# Altium PCB SPEC-A7.PcbDoc (part 8 of 10)
Units mil, origin at the board's own origin, x right, y up, seen from the top; angles counter-clockwise.
Board outline 6299.21 x 3937.01 mil, 6 copper layers (Top Layer, L2, L3, L4, L5, Bottom Layer), stack 61.319 mil thick; 731 components, 479 nets, 2733 pads, 1703 vias.
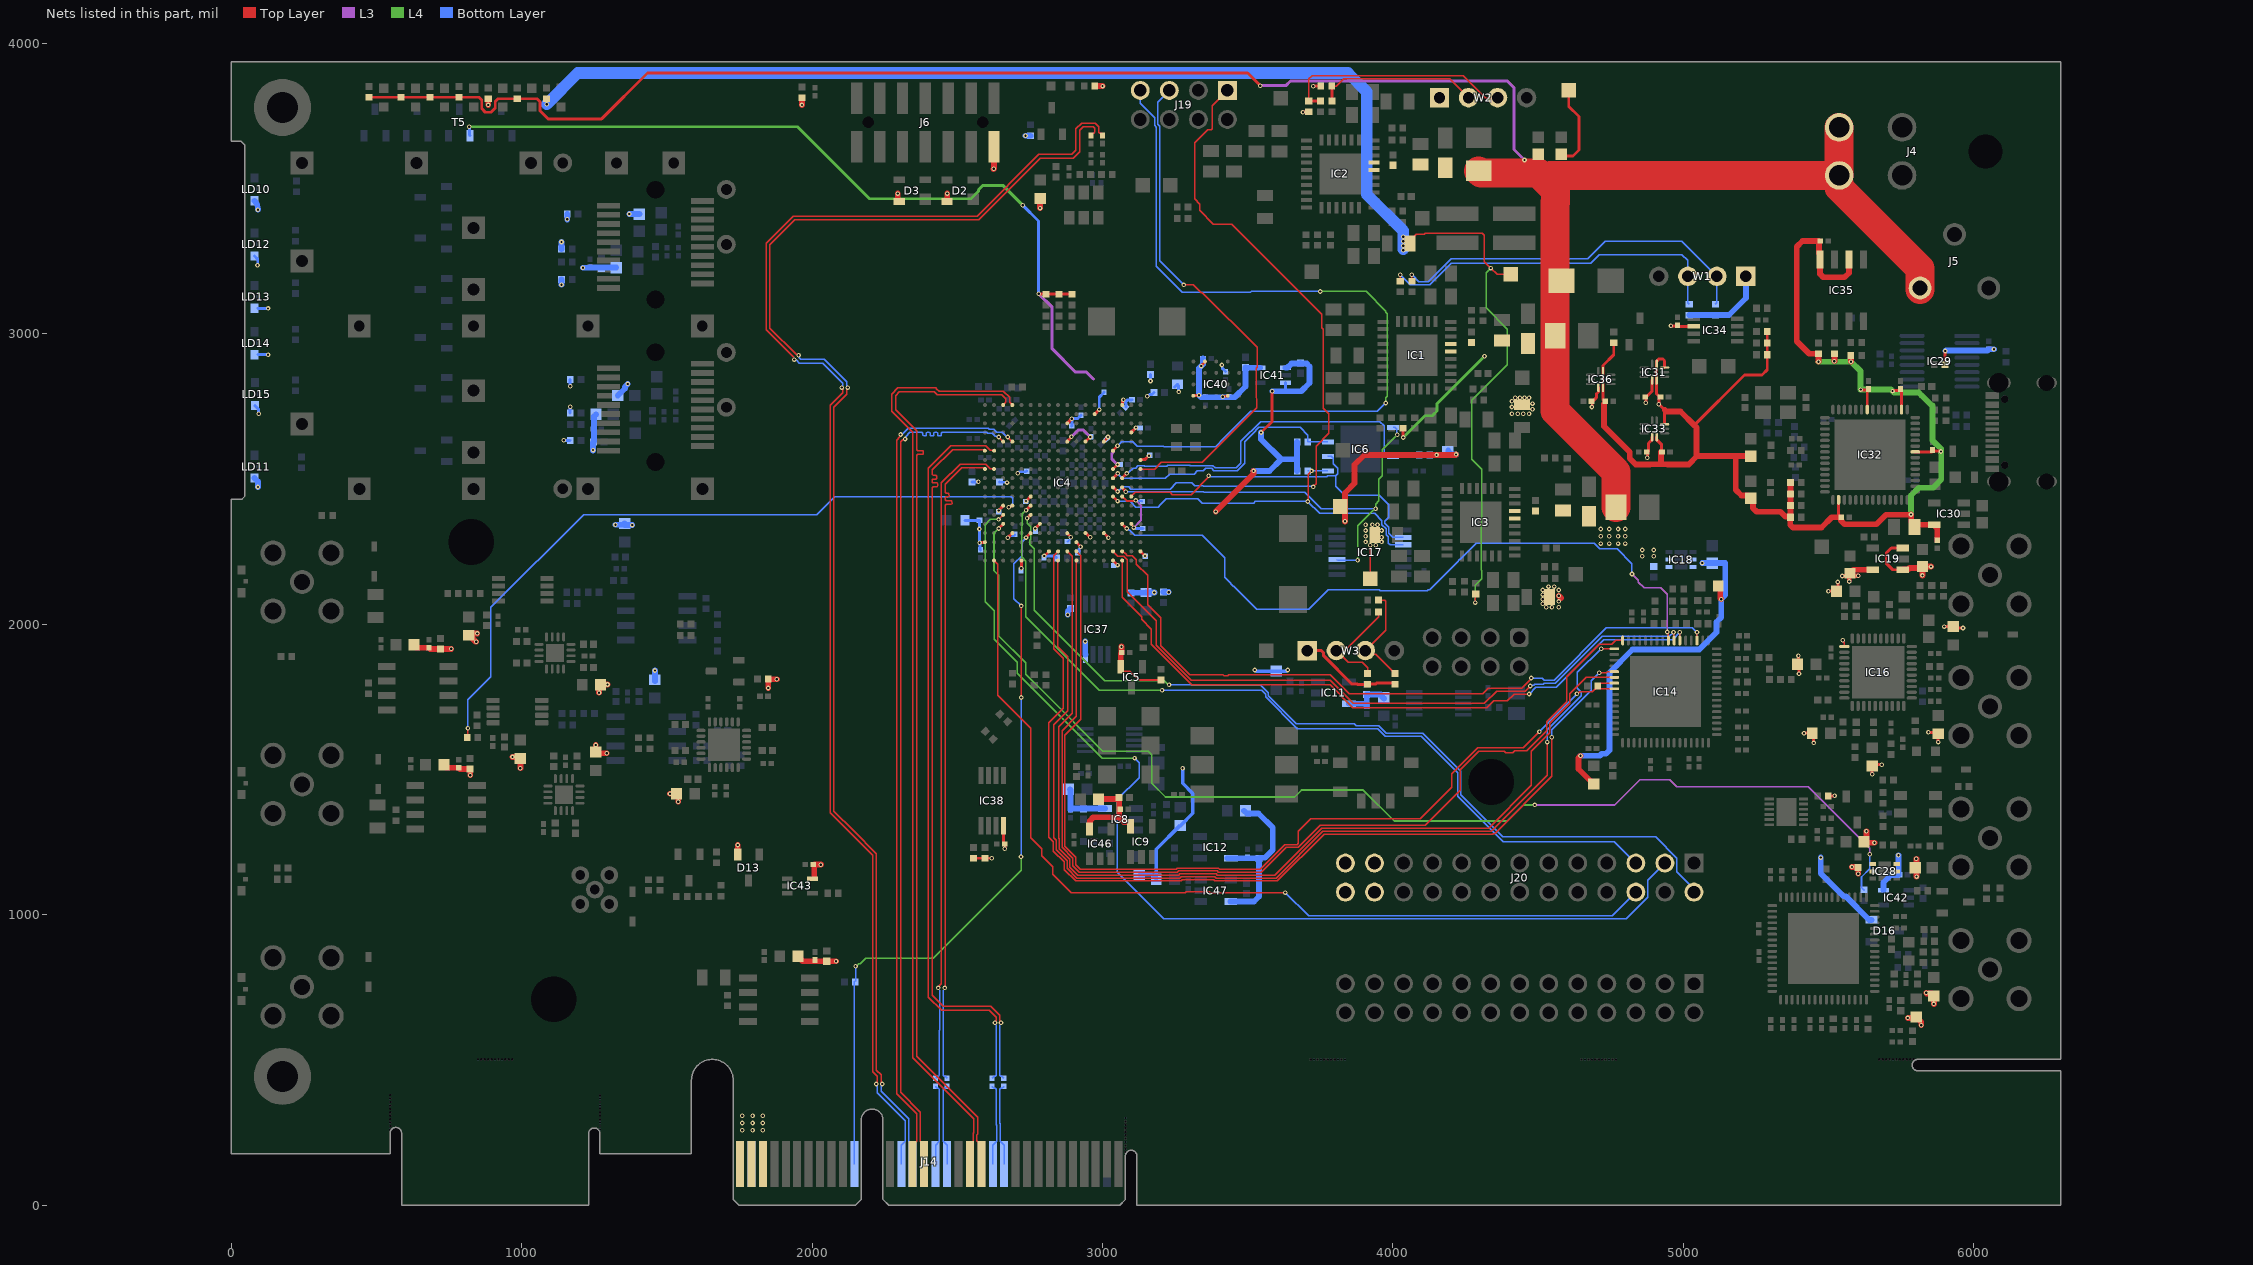
[diagram p12: the nets of this part, all layers, seen from the top]

## Via types
v1: diameter 15.75, hole 7.87, Top Layer to Bottom Layer, tented both sides, 1583 vias
v2: diameter 19.68, hole 7.87, Top Layer to Bottom Layer, tented both sides, 73 vias
v3: diameter 15.75, hole 7.87, Top Layer to Bottom Layer, 47 vias

## Nets (pads, with @x,y where several pads share a name; then routed paths per layer and width w, separated by ;. In a path a pad name is that pad's centre, name@x,y a point inside that pad or via, vN(x,y) a via of type N, cw(c..) or ccw(c..) an arc to the next point about the centre after c; other vN are vias at no path point) (continued)
P2V5: C71.2 C72.2 C73.2 C74.2 C75.2 C76.2 C77.2 C78.2 C79.2 C80.2 C81.2 C82.2 C83.2 IC4.A16 IC4.B13 IC4.C10 IC4.D17 IC4.E14 IC4.G18 IC4.H15 R125.2 R126.2 R127.2 R183.2 T5.1 TP11.1 | length 3567.9
  Top Layer w5: TP11.1@3921.26,2157.48 v1(3921.26,2271.65)
  Top Layer w10: v1(2780,3137.98) 2781.56,3137.98 2783.05,3136.48 R125.2@2805,3136.48 R126.2@2850,3136.48 R127.2@2895,3136.48 ; IC4.C10@2878.5,2691.95 v1(2894.25,2707.7) ; IC4.B13@2972.99,2723.45 v1(2988.74,2739.2) ; IC4.E14@3004.49,2628.96 3004.49,2629.65 3018.86,2644.02 v1(3018.86,2644.71) ; IC4.H15@3035.98,2534.47 v1(3051.73,2550.22) ; IC4.A16@3067.48,2754.95 3068.2,2755.67 3068.2,2767.74 3071.97,2771.5 v1(3071.97,2773.06) ; IC4.D17@3098.98,2660.46 3098.98,2660.86 3114.96,2676.84 v1(3114.96,2677.25) ; IC4.G18@3130.47,2565.97 3131.2,2566.69 3145.3,2566.69 3158.46,2579.85 v1(3160.02,2579.85)
  L3 w10: v1(2780,3137.98) 2826.55,3091.43 2826.55,2948.45 2907.02,2867.98 2945,2867.98 2968.3,2844.68 ; 3037.55,2592.98 3031.66,2587.08 3031.66,2569.14 3043.45,2557.35 3043.45,2556.95 3050.18,2550.22 v1(3051.73,2550.22)
  L4 w10: v1(820,3712.98) 1950,3712.98 2197.87,3465.1 2547.4,3465.1 2572.87,3490.57 2572.87,3495.79 2587.08,3510 2657.98,3510 v1(2725,3442.98)
  Bottom Layer w10: v1(820,3712.98) 821.1,3711.88 821.1,3684 T5.1@822.4,3682.7 ; v1(2725,3442.98) 2780,3387.98 v1(2780,3137.98) ; C78.2@2893.78,2682.98 2894.25,2683.45 v1(2894.25,2707.7) 2895.35,2708.8 2914.57,2708.8 2920.78,2715.01 2921.76,2715.01 2925.62,2718.87 C76.2@2925.62,2719.85 ; v1(2988.74,2739.2) 2988.74,2781.44 3005.51,2798.21 C74.2@3005.51,2799.2 ; v1(3071.97,2773.06) 3071.97,2771.5 3077.37,2766.1 3077.37,2763.28 3080.95,2759.69 3080.95,2748.42 C75.2@3080.26,2747.72 ; 3080.95,2766.86 3083.23,2769.14 3083.23,2770.69 3084.33,2771.79 3100.04,2771.79 C79.2@3101.22,2772.98 ; v1(3154.19,2784.94) 3155.75,2784.94 3161.58,2790.77 3170.08,2790.77 C81.2@3177.28,2797.98 ; v1(3160.02,2579.85) 3160.85,2579.85 C72.2@3162.88,2581.88 ; C82.2@3165.11,2859.75 3165.15,2859.71 v1(3165.19,2837.46) v1(3165.19,2837.46) ; C83.2@3247.88,2816.39 C83.2@3258,2826.5 3262,2822.5 v1(3262,2800) ; v1(3411,2892.78) 3412.1,2891.68 3412.1,2881.66 3423,2870.76 C80.2@3423,2869.78
  other v1: 3940.94,2271.65 3905.51,2283.46 3960.63,2283.46 3960.63,2299.21 3905.51,2303.15 3905.51,2322.83 3960.63,2322.83 3905.51,2342.52 3929.13,2342.52 3946.68,2342.52
P2V7: C326.2 C327.2 C328.2 C330.2 IC40.B4 IC40.D1 IC40.E4 IC41.5 | length 486.6
  Top Layer w6: IC40.E4@3312.89,2786.63 IC40.E4@3313.72,2787.46 ; v1@3331.34,2787.46 v1(3332.17,2788.28) ; v1(3340,2889) v1@3340,2890.74 ; IC40.D1@3352.26,2903 IC40.D1@3352.26,2904.74 ; v1(3413.39,2783.46) v1@3415.14,2785.22 ; IC40.B4@3429.59,2785.22 IC40.B4@3431,2786.63
  Top Layer w10: IC40.E4@3313.72,2787.46 v1@3331.34,2787.46 ; v1@3340,2890.74 IC40.D1@3352.26,2903 ; v1@3415.14,2785.22 IC40.B4@3429.59,2785.22
  Bottom Layer w20: C327.2@3346.22,2915 3346.22,2895.22 v1(3340,2889) 3332.17,2881.17 v1(3332.17,2788.28) 3338.7,2781.76 C326.2@3355,2781.76 3454.99,2781.76 3492.13,2818.9 C330.2@3492.13,2883.86 3492.58,2883.4 3542.59,2883.4 IC41.5@3543.05,2882.94
P3V0_DAC: C157.2 C158.2 FB4.1 IC11.5 | length 170.6
  Bottom Layer w20: IC11.5@3848.43,1726.38 3901.57,1726.38 C158.2@3909.45,1718.5 C157.2@3909.45,1757.87 3957.68,1757.87 3961.4,1754.15 3961.4,1751.84 FB4.1@3969.3,1743.94
P3V0_DAC_DDMTD: C142.2 C143.2 FB3.1 IC8.5 | length 191.4
  Bottom Layer w20: FB3.1@2888.26,1431.4 2889.88,1429.79 C143.2@2889.88,1361.4 2894.69,1366.21 2929.88,1366.21 IC8.5@3008.58,1366.21
P3V0_VCXO: C161.2 C162.2 FB5.1 IC12.5 IC47.5 | length 604.9
  Bottom Layer w20: IC12.5@3429.51,1194.21 3499,1194.21 3538.84,1194.21 C161.2@3539,1194.06 3541.21,1196.26 3559.32,1196.26 3585.87,1222.81 3585.87,1299.96 3537.24,1348.58 3496.93,1348.58 FB5.1@3487.25,1358.27 ; IC47.5@3440.94,1045.28 3521.65,1045.28 3538.84,1062.47 C161.2@3538.84,1194.06
P3V0_VCXO_DDMTD: C146.2 C147.2 FB2.1 IC9.5 IC46.5 | length 343.2
  Top Layer w20: IC46.5@2954.72,1295.28 2956.54,1297.09 2956.54,1323.77 2968.25,1335.49 3057.44,1335.49 ; FB2.1@2981.62,1397.98 3052.28,1397.98 C146.2@3057.28,1402.98 3057.44,1402.82 C147.2@3057.44,1362.98 ; C147.2@3061.22,1362.98 C147.2@3057.44,1362.98 ; IC9.5@3096.46,1305.12 3096.46,1317.91 3094.65,1319.72 3073.2,1319.72 3057.44,1335.49 ; 3057.44,1335.49 C147.2@3057.44,1362.98
P3V3: C33.2 C54.2 C68.2 C69.2 C70.2 C84.2 C85.2 C86.2 C87.2 C88.2 C89.2 C90.2 C91.2 C92.2 C93.2 C94.2 C95.2 C96.2 C97.2 C98.2 C99.2 C100.2 C101.2 C102.2 C132.2 C281.2 C282.2 C289.2 C290.2 C299.2 C308.2 C309.2 C310.2 C319.2 C324.2 C325.2 C329.2 C351.2 C352.2 C353.2 C355.2 C356.2 D2.4 D3.4 D13.2 D16.2 FB1.1 FB6.1 FB18.1 FB19.1 FB20.1 FB21.1 FB22.1 FB23.1 FB24.1 FB27.1 FB30.1 FB31.1 IC4.E10 IC4.E12 IC4.L6 IC4.L16 IC4.M3 IC4.P7 IC4.P17 IC4.R4 IC4.R10 IC4.R12 IC4.R14 IC4.T1 IC4.T11 IC4.U8 IC4.U18 IC4.V5 IC4.V15 IC5.2 IC29.3 IC31.6 IC33.6 IC34.2 IC36.6 IC37.8 IC38.8 IC41.1 IC41.3 IC42.5 IC43.5 J6.2 J20.26 L3.1 L4.1 L5.1 L6.1 LD10.2 LD11.2 LD12.2 LD13.2 LD14.2 LD15.2 R7.2 R8.2 R36.2 R40.2 R41.2 R43.2 R45.1 R46.1 R47.1 R48.2 R49.2 R50.2 R93.2 R94.2 R95.2 R96.2 R100.2 R101.2 R102.2 R124.2 R135.2 R136.2 R145.2 R146.2 R170.2 R172.1 R185.2 TP5.1 W1.1 W2.1 W3.1 | length 6849.4
  Top Layer w5: IC4.P17@3098.98,2345.5 3098.98,2343.5 3107.43,2335.05 v1(3107.43,2333.05)
  Top Layer w6: IC5.2@3062.6,1853.41 3062.6,1847.39 3071.41,1838.58 3094.49,1838.58 3124.8,1808.27 R170.2@3200.79,1808.27
  Top Layer w7: IC4.L16@3067.48,2439.99 3082.87,2424.6 3110.6,2424.6 3112.36,2426.36 v1(3114.72,2426.36)
  Top Layer w10: R40.2@2555,1194.47 R41.2@2595,1194.47 v1(2618.5,1194.47) ; v1(2576.7,2280.7) 2577.78,2281.78 2594.32,2281.78 IC4.T1@2595.04,2282.51 ; v1(2642.28,2391.54) 2642.28,2392.14 2658.03,2407.89 IC4.M3@2658.03,2408.49 ; C33.2@2658.39,1247.39 IC38.8@2658.39,1306.36 ; v1(2663.78,1226.76) C33.2@2663.78,1242.98 ; v1(2673.78,2298.25) IC4.R4@2689.53,2314 ; v1(2720.51,2192.98) 2720.77,2193.23 2720.77,2219.26 IC4.V5@2721.02,2219.51 ; v1(2736.77,2424.24) IC4.L6@2752.52,2439.99 ; v1(2768.27,2329.75) IC4.P7@2784.02,2345.5 ; v1(2799.76,2235.26) IC4.U8@2815.51,2251.01 ; IC4.R10@2878.5,2314 2878.5,2312.98 2890.99,2300.49 v1(2890.99,2299.17) ; IC4.E10@2878.5,2628.96 2878.5,2629.98 2892.94,2644.42 v1(2892.94,2645.45) ; IC4.T11@2910,2282.51 2910,2281.82 2924.37,2267.45 v1(2924.37,2266.76) ; IC4.R12@2941.5,2314 2942.08,2314 2956.66,2299.41 v1(2957.24,2299.41) ; IC4.E12@2941.5,2628.96 2941.63,2628.96 2957.49,2644.82 v1(2957.62,2644.82) ; IC4.R14@3004.49,2314 v1(3020.24,2298.25) ; IC4.V15@3035.98,2219.51 v1(3051.73,2203.76) ; IC4.U18@3130.47,2251.01 v1(3146.22,2235.26) ; v1(3545.7,2660.3) 3582.9,2697.5 3582.9,2800.9 v1(3584,2802) ; v1(3690,3762.98) 3690.75,3763.73 3709.25,3763.73 R136.2@3710,3764.47 ; W3.1@3704.72,1909.45 3753.19,1909.45 3761.26,1901.38 3761.26,1891.45 3858.98,1793.73 3877.93,1793.73 3878.5,1793.15 3911.9,1793.15 R145.2@3912.48,1793.73 3939.69,1793.73 3943.36,1797.4 4003.81,1797.4 R146.2@4007.48,1793.73 ; v1(3725.37,3852.6) 3725.56,3852.79 3751.31,3852.79 R135.2@3751.5,3852.98 ; v1(4685,2747.98) 4686.1,2749.08 4686.1,2766.36 4700,2780.26 4700,2792.98 4707.13,2800.1 IC36.6@4707.13,2815.42 ; v1(4870,2762.98) 4871.1,2764.08 4871.1,2781.36 4892.13,2802.39 IC31.6@4892.13,2840.42 ; v1(4875,2572.98) 4876.1,2574.08 4876.1,2591.36 4880,2595.26 4880,2622.98 4892.13,2635.1 IC33.6@4892.13,2645.42 ; v1(4956.94,3027.5) 4958.04,3026.4 4978.86,3026.4 4980,3025.26 4980.51,3025.77 IC34.2@5035.2,3025.77 ; R172.1@5900.39,2893.7 5900.98,2894.29 5900.98,2940.35 v3(5901.57,2940.94)
  Top Layer w12: R93.2@1848.49,1811.75 R93.2@1848.68,1811.56
  Top Layer w20: FB30.1@629.92,1929.13 629.92,1928.15 638.62,1919.45 678.62,1919.45 678.78,1919.29 C353.2@681.1,1919.29 685.04,1915.35 v1(757.36,1915.35) ; FB31.1@732.28,1515.75 732.28,1514.76 740.98,1506.06 780.98,1506.06 781.14,1505.91 C356.2@783.46,1505.91 787.4,1501.97 C355.2@822.83,1501.97 v1(822.83,1480.32) ; v1(843.57,1939.72) 842.13,1939.72 819.45,1962.4 FB22.1@818.46,1962.4 818.46,1967.28 817.94,1967.8 818.61,1968.46 v1(847.37,1968.46) ; v1(885,3787.98) R36.2@885,3809.47 ; v1(968.5,1543.31) 990.35,1543.31 FB24.1@995.59,1538.07 v1(995.59,1504.57) ; v1(1255.01,1584.43) 1255.01,1555.67 1255.44,1556.1 v1(1293.18,1556.1) ; v1(1266.7,1764.22) 1266.7,1791.38 1266.18,1791.9 1266.84,1792.56 1271.57,1792.56 v1(1295.61,1792.56) ; v1(1510.9,1416.42) FB19.1@1533.17,1416.42 1538.05,1416.42 1538.57,1416.94 1539.23,1416.28 v1(1539.23,1388.92) ; D13.2@1743.74,1207.78 v1(1743.74,1240.1) ; R93.2@1848.15,1812.09 R93.2@1848.49,1811.75 ; R93.2@1848.68,1811.56 R93.2@1849.21,1811.02 ; v1(1849.21,1780.55) R93.2@1849.21,1811.02 ; v1(1878.74,1811.02) R93.2@1849.21,1811.02 ; FB27.1@1946.97,857.58 1949.88,857.58 1967.6,839.87 C325.2@2050.35,839.87 v1(2082.64,839.87) ; v1(1965,3787.98) R49.2@1965,3812.98 ; IC43.5@2007.66,1128.81 C54.2@2007.66,1172.31 ; C54.2@2007.86,1172.51 v1(2030.14,1172.51) ; v1(2294.63,3482.98) 2294.63,3457.39 2296.44,3455.58 D3.4@2299.72,3455.58 ; D2.4@2464.45,3455.1 2465,3455.65 v1(2465,3482.98) ; v1(2625,3567.98) 2626.22,3569.2 J6.2@2626.22,3644.32 ; v1(2785,3432.98) FB6.1@2785,3466.48 FB6.1@2785,3471.36 ; R48.2@2973.5,3852.98 v1(3000,3852.98) ; IC5.2@3062.6,1853.41 3062.6,1899.36 C132.2@3066.22,1902.98 3065,1904.2 v1(3065,1922.98) ; v1(3390,2387.98) 3520,2517.98 v1(3520,2527.98) ; v1(3834.65,2354.33) 3834.65,2452.37 3867.87,2485.6 3867.87,2548.98 3901.88,2582.98 v1(4150,2582.98) 4215.38,2582.98 v1(4217.15,2584.75) ; v1(4570.87,2098.43) 4578.85,2090.44
  L3 w7: v1(3107.43,2333.05) 3131.63,2357.25 3131.63,2409.45 v1(3114.72,2426.36)
  L3 w10: v1(2892.94,2645.45) 2916.33,2668.84 2933.61,2668.84 v1(2957.62,2644.82)
  Bottom Layer w7: v1(2673.78,2298.25) 2676.15,2298.25 2681.46,2303.56 2693.5,2303.56 2698.86,2308.92 C93.2@2698.86,2309.91 ; C86.2@2879.06,2284.49 2880.04,2284.49 2889.32,2293.77 2889.32,2297.5 v1(2890.99,2299.17) ; v1(3114.72,2426.36) 3116.4,2424.68 3134.52,2424.68 C96.2@3136.22,2422.98
  Bottom Layer w10: LD12.2@80.2,3268.19 91.28,3257.11 91.28,3236.95 v1(90.55,3236.22) ; LD15.2@81.42,2753.19 94.07,2740.54 94.07,2725.5 v1(94.9,2724.66) ; LD14.2@92.01,2928.19 126.38,2928.19 v1(127.01,2927.56) ; LD13.2@92.01,3088.19 92.64,3087.56 v1(127.01,3087.56) ; v1(1145.27,2633.32) 1145.65,2632.94 1166.75,2632.94 R101.2@1167.13,2632.56 ; R102.2@1167.13,2727.56 v1(1167.13,2749.06) ; v1(1167.13,2819.06) R100.2@1167.13,2842.56 ; C68.2@2526.5,2357.98 C69.2@2576.22,2357.98 v1(2576.22,2327.98) v1@2576.22,2280.7 ; C84.2@2550,2490.26 v1(2572.72,2490.26) ; v1(2576.7,2280.7) 2577.8,2279.6 2577.8,2258.14 C89.2@2579.56,2256.38 ; C85.2@2645,2490.26 2646.16,2489.1 2669.9,2489.1 v1(2671,2488) ; v1@2710,2522.4 v1(2707.59,2519.98) 2709.14,2519.98 2714.16,2525 2734.99,2525 2737.97,2527.98 C94.2@2739,2526.95 ; v1(2799.76,2235.26) 2835,2235.26 2841.5,2228.77 R43.2@2841.5,2227.98 ; C95.2@2914.78,2247.18 2918.64,2251.04 2918.64,2259.47 2924.37,2265.2 v1(2924.37,2266.76) ; v1(3107.43,2333.05) 3108.99,2333.05 3112.42,2329.62 C91.2@3138.7,2329.62 ; IC41.3@3629.66,2831.76 3629.66,2806.28 3633.94,2802
  Bottom Layer w20: LD11.2@80.2,2503.19 92.01,2491.38 v1(92.01,2472.56) ; LD10.2@80.2,3458.19 83.98,3453.82 cw(c51.68,3429.67) 92.01,3429.67 v1(92.01,3427.56) ; v1(1137.13,3169.06) R95.2@1137.13,3187.56 ; R96.2@1137.13,3292.56 v1(1137.13,3316.06) ; v1(1157.13,3394.06) R94.2@1157.13,3412.56 ; v1(1211.1,3227.4) 1235,3227.4 1235.63,3228.03 L3.1@1325.63,3228.03 ; v1@1245.91,2597.83 v1(1245.91,2599.84) 1245.91,2625.55 C290.2@1247.91,2627.56 1249.57,2629.21 1249.57,2716.02 L5.1@1256.1,2722.56 ; v1(1322.83,2342.52) 1350.39,2342.52 FB18.1@1354.33,2346.46 1354.33,2341.58 v1(1380.95,2341.58) ; L6.1@1331.1,2787.56 1355.47,2811.93 1355.47,2817.4 v1(1365.63,2827.56) ; v1(1370.63,3412.56) 1405.16,3412.56 L4.1@1405.63,3412.09 ; FB20.1@1458.94,1803.93 FB20.1@1458.94,1808.81 v1(1458.94,1840.83) ; v1(2734.84,3682.28) R50.2@2751.97,3682.28 ; v1(2880,2032.98) 2880,2044.47 2887.8,2052.27 2887.8,2053.06 2889.21,2054.47 R124.2@2890,2054.47 ; v1(2940.47,1940.82) 2940.47,1897.51 IC37.8@2941.61,1896.36 ; C100.2@3098.43,2108.27 C102.2@3141.73,2108.27 ; C102.2@3150,2109.47 v1(3178.5,2109.47) ; C101.2@3210,2110.69 v1(3227.72,2110.69) ; v1(3520,2527.98) 3574.92,2527.98 3614.92,2567.98 ; v1(3545.7,2660.3) 3545.7,2637.2 3614.92,2567.98 ; v1(3584,2802) 3633.94,2802 3683.89,2802 3712.6,2830.71 3712.6,2887.89 3703.09,2897.4 3683.31,2897.4 C329.2@3681.1,2899.61 3678.9,2897.4 3650.7,2897.4 3636.24,2882.94 IC41.1@3629.66,2882.94 ; R45.1@3669.84,2528.02 3669.84,2567.98 ; R46.1@3669.84,2628.02 3669.84,2567.98 ; R47.1@4126.85,2583.02 R47.1@4126.85,2583.02 v1(4150,2582.98) ; FB1.1@4190,2597.98 4190,2594.32 4198.74,2585.58 4216.31,2585.58 v1(4217.15,2584.75) ; R8.2@5020,3064.47 R7.2@5110,3064.47 5156.5,3064.47 5215,3122.98 W1.1@5215,3197.98 ; v1(5472.44,1196.85) 5472.44,1141.73 5550.77,1063.41 5558.64,1063.41 5639.76,982.28 D16.2@5647.64,982.28 ; IC42.5@5688.98,1084.65 5688.98,1110.98 5714.56,1136.56 5738.92,1136.56 5740.16,1137.8 v1(5740.16,1204.72) ; v3(5901.57,2940.94) 5903.64,2943.01 IC29.3@5976.38,2943.01 6047.34,2943.01 C299.2@6051.18,2946.85 v1(6068.9,2946.85) ; 3614.92,2567.98 3669.84,2567.98
  other v1: 4527.56,2059.06 4547.24,2059.06 4570.87,2059.06 4515.75,2070.87 4570.87,2078.74 4515.75,2086.61 4515.75,2102.36 4515.75,2118.11 4570.87,2118.11 4535.43,2129.92 4555.12,2129.92
P3V3_USB: C52.2 C302.2 C304.2 C305.2 C306.2 C307.2 C320.2 C321.2 C322.2 C323.2 IC30.5 IC31.1 IC31.7 IC31.10 IC32.16 IC32.36 IC32.44 IC32.50 IC33.7 IC33.10 IC35.6 IC35.8 IC36.1 IC36.7 L8.1 L9.1 R107.2 R108.2 R109.2 R110.2 R111.2 R115.1 R116.2 R117.2 R118.2 R119.2 R120.2 | length 5250.2
  Top Layer w10: 4726.1,2757.94 4726.1,2766.79 4727.28,2767.98 4722.87,2772.39 IC36.7@4722.87,2815.42 IC36.1@4722.87,2868.57 4722.87,2890.85 4760,2927.98 R107.2@4760,2970.97 ; IC33.7@4907.87,2645.42 4907.87,2635.1 4925,2617.98 4925,2595.69 C305.2@4922.28,2592.98 ; IC33.10@4935.43,2688.73 4935.43,2737.66 4915.12,2757.98 v1(4915,2757.98) 4916.1,2759.08 4916.1,2781.79 4917.28,2782.98 4907.87,2792.39 IC31.7@4907.87,2840.42 IC31.1@4907.87,2893.57 4907.87,2905.85 4915,2912.98 4929.14,2912.98 4935,2907.12 4935,2902.98 4935.43,2902.54 IC31.10@4935.43,2883.73 ; 5037.5,2685.48 5210,2857.98 5270,2857.98 5288.5,2876.48 R116.2@5288.5,2927.98 R117.2@5288.5,2967.98 R115.1@5288.5,3007.98 ; IC32.16@5534.31,2428.19 5534.31,2373.58 C322.2@5539.34,2368.54 ; v1(5610,2807.98) 5611.56,2807.98 5613.21,2806.33 C321.2@5636.56,2806.33 ; IC32.50@5632.73,2739.21 C321.2@5632.73,2801.5 ; v1(5720,2802.98) 5721.56,2802.98 5723.21,2804.63 5745.86,2804.63 5747.06,2805.83 5750.84,2802.05 IC32.44@5750.84,2739.21 ; IC32.36@5798.08,2593.54 5854.78,2593.54 5858,2596.76 5858.8,2595.96 5885.46,2595.96 v1(5886.56,2594.86)
  Top Layer w20: 4726.1,2757.94 4726.1,2681.88 4815.08,2592.9 4815.08,2570.55 4835.53,2550.1 4884.47,2550.1 4885.07,2550.69 4922.28,2550.69 ; C305.2@4922.28,2592.98 4922.28,2550.69 ; 4935.43,2737.66 4940.12,2732.98 4990,2732.98 5037.5,2685.48 5043.59,2679.39 ; 5045,2579.02 5045,2677.98 ; 5186.04,2579.02 5180,2572.98 5180,2462.98 5199.61,2443.36 5222.71,2443.36 5239.72,2426.36 5239.72,2399.88 5252.16,2387.44 5334.19,2387.44 5350.88,2370.75 5367.14,2370.75 R111.2@5368.56,2369.33 ; L8.1@5232.06,2579.02 5047,2579.02 5018.09,2550.1 4946.17,2550.1 4945.58,2550.69 4922.28,2550.69 ; R108.2@5368.56,2488.54 R109.2@5368.56,2448.54 R110.2@5368.56,2408.54 R111.2@5368.56,2369.33 ; v1(5465.06,2903.58) 5465.06,2930.95 R120.2@5464.8,2931.21 5433.31,2931.21 5389.8,2974.71 5389.8,3299.71 5409.8,3319.71 5467.09,3319.71 5467.09,3277.43 5469.8,3274.71 IC35.8@5469.8,3256.01 5469.8,3206.43 5481.52,3194.71 5554.8,3194.71 5569.8,3209.71 IC35.6@5569.8,3256.01 ; v1(5519.69,2905.51) 5519.69,2931.09 R119.2@5519.8,2931.21 ; R118.2@5576.3,2924.71 5576.89,2924.12 v1(5576.89,2904.09) ; C302.2@5874.02,2289.37 5874.02,2330.71 5861.81,2342.91 5793.9,2342.91 5784.61,2352.2 5784.61,2376.81 v1(5783.46,2377.95) 5782.72,2377.2 5697.53,2377.2 5688.74,2368.42 5665.01,2344.69 5554.78,2344.69 5541.55,2357.92 5541.55,2366.34 5539.34,2368.54 5510.57,2368.54 5475,2332.98 5376.72,2332.98 5367.88,2341.82 5367.88,2367.86 R111.2@5368.56,2368.54 R111.2@5368.56,2369.33
  L4 w20: v1(5465.06,2903.58) 5465.58,2904.09 v1(5576.89,2904.09) 5610,2870.99 v1(5610,2807.98) 5715,2807.98 v1(5720,2802.98) 5725,2797.98 5810,2797.98 5820,2787.98 5820.36,2787.98 5855,2753.33 ; v1(5783.46,2377.95) 5783.46,2443.46 5810.04,2470.04 5859.77,2470.04 5887.87,2498.15 5887.87,2587.96 5886.56,2589.27 5886.56,2596.32 5886.56,2604.07 5856.95,2633.68 5856.95,2753.33
P3V3LMX: C240.2 FB12.1 FB13.1 FB14.1 FB15.1 FB16.1 FB17.1 IC16.1 IC19.5 | length 577.7
  Top Layer w5: v1(5548.42,1944.78) 5548.42,1942.32 5553.86,1936.88 IC16.1@5553.86,1923.58
  Top Layer w10: v1(5395.88,1891.68) 5395.88,1864.86 5397.89,1862.85 v1(5397.89,1829.47) ; v1(5415,1625) 5448.38,1625 v1(5448.38,1591.62) ; v1(5499.06,2114.17) 5530.55,2114.17 5531.5,2115.11 v1(5531.5,2145.67) ; v1(5649.61,1483.31) 5649.61,1516.69 v1(5682.99,1516.69) ; v1(5843.51,1627.8) 5876.89,1627.8 v1(5876.89,1594.42) ; v1(5897.64,1992.13) 5924.26,1992.13 5929.13,1987.25 v1(5962.52,1987.25)
  Top Layer w15: v1(5546.26,2166.16) 5546.41,2166.31 5564.12,2166.31 C240.2@5571.18,2173.37 ; v1(5571.03,2147.24) 5571.18,2147.38 C240.2@5571.18,2173.37 ; C240.2@5573.28,2175.47 C240.2@5571.18,2173.37 ; C240.2@5581.98,2166.77 5601.5,2166.77 v1(5601.65,2166.63)
  Top Layer w20: C240.2@5573.28,2175.47 5585.41,2187.6 5615.41,2187.6 IC19.5@5652.1,2187.6
P3V3PLL1: C230.2 FB9.1 FB11.1 IC18.5 IC18.6 | length 1303.6
  Top Layer w20: v1(4645.67,1547.24) 4638.54,1540.12 4638.54,1502.03 4682.01,1458.57 4684.48,1458.57 FB9.1@4690,1453.05 ; FB11.1@5115.16,2131.84 5118.07,2131.84 5126.94,2122.97 5126.94,2089.6 v1(5129.92,2086.61)
  Bottom Layer w20: v1(4645.67,1547.24) 4711.75,1547.24 4718.87,1554.37 4733.28,1554.37 4745,1566.09 4745,1832.98 4825,1912.98 5054.71,1912.98 5114.17,1972.44 5114.17,2007.87 5129.92,2023.62 v1(5129.92,2086.61) 5143.83,2100.53 5143.83,2210.63 C230.2@5098.43,2210.63 v1(5064.65,2210.63)
P3V3PLL2: C226.2 FB7.1 FB8.1 FB10.1 IC28.5 IC28.6 R64.1 | length 279.4
  Top Layer w10: R64.1@5498.82,1409.45 v1(5520.32,1409.45)
  Top Layer w20: v1(5629.92,1287.4) 5629.92,1248.86 5630.75,1248.03 v1(5657.48,1248.03) ; v1(5772.67,644.68) 5796.99,644.68 5801.21,648.91 5819.05,631.07 v1(5819.05,619.89) ; C226.2@5797.71,1160.42 5801.89,1164.59 v1(5801.89,1192.46) ; C226.2@5797.71,1161.92 5802.62,1157.01 v1(5802.62,1131.36) ; v1(5835.82,731.1) 5835.9,731.1 5837.83,729.17 5853.63,729.17 5862.2,720.6 v1(5862.2,692.91)
P3V6_CLK: C225.2 C229.2 C239.2 FB25.2 FB26.2 FB28.2 FB29.2 IC18.1 IC18.2 IC19.1 IC19.3 IC28.1 IC28.2 R184.2 | length 976.4
  Top Layer w10: IC19.1@5754.46,2187.6 5720.68,2187.6 5698.28,2210 5698.28,2245 5715.68,2262.4 IC19.3@5754.46,2262.4
  Top Layer w20: v1(5580,1164.61) 5599.96,1164.61 C225.2@5600.21,1164.36 ; C225.2@5601.27,1165.42 C225.2@5600.21,1164.36 ; v1(5601.86,1141.33) 5601.86,1162.71 C225.2@5600.21,1164.36 ; IC19.1@5754.46,2187.6 5756.27,2189.41 5773.7,2189.41 5777.83,2193.54 5817.73,2193.54 C239.2@5822.89,2198.7 ; C239.2@5821.83,2199.76 C239.2@5822.89,2198.7 ; v1(5822.89,2168.23) C239.2@5822.89,2198.7 ; v1(5852.42,2198.7) C239.2@5822.89,2198.7